# KiCad board STE25.kicad_pcb (continued)
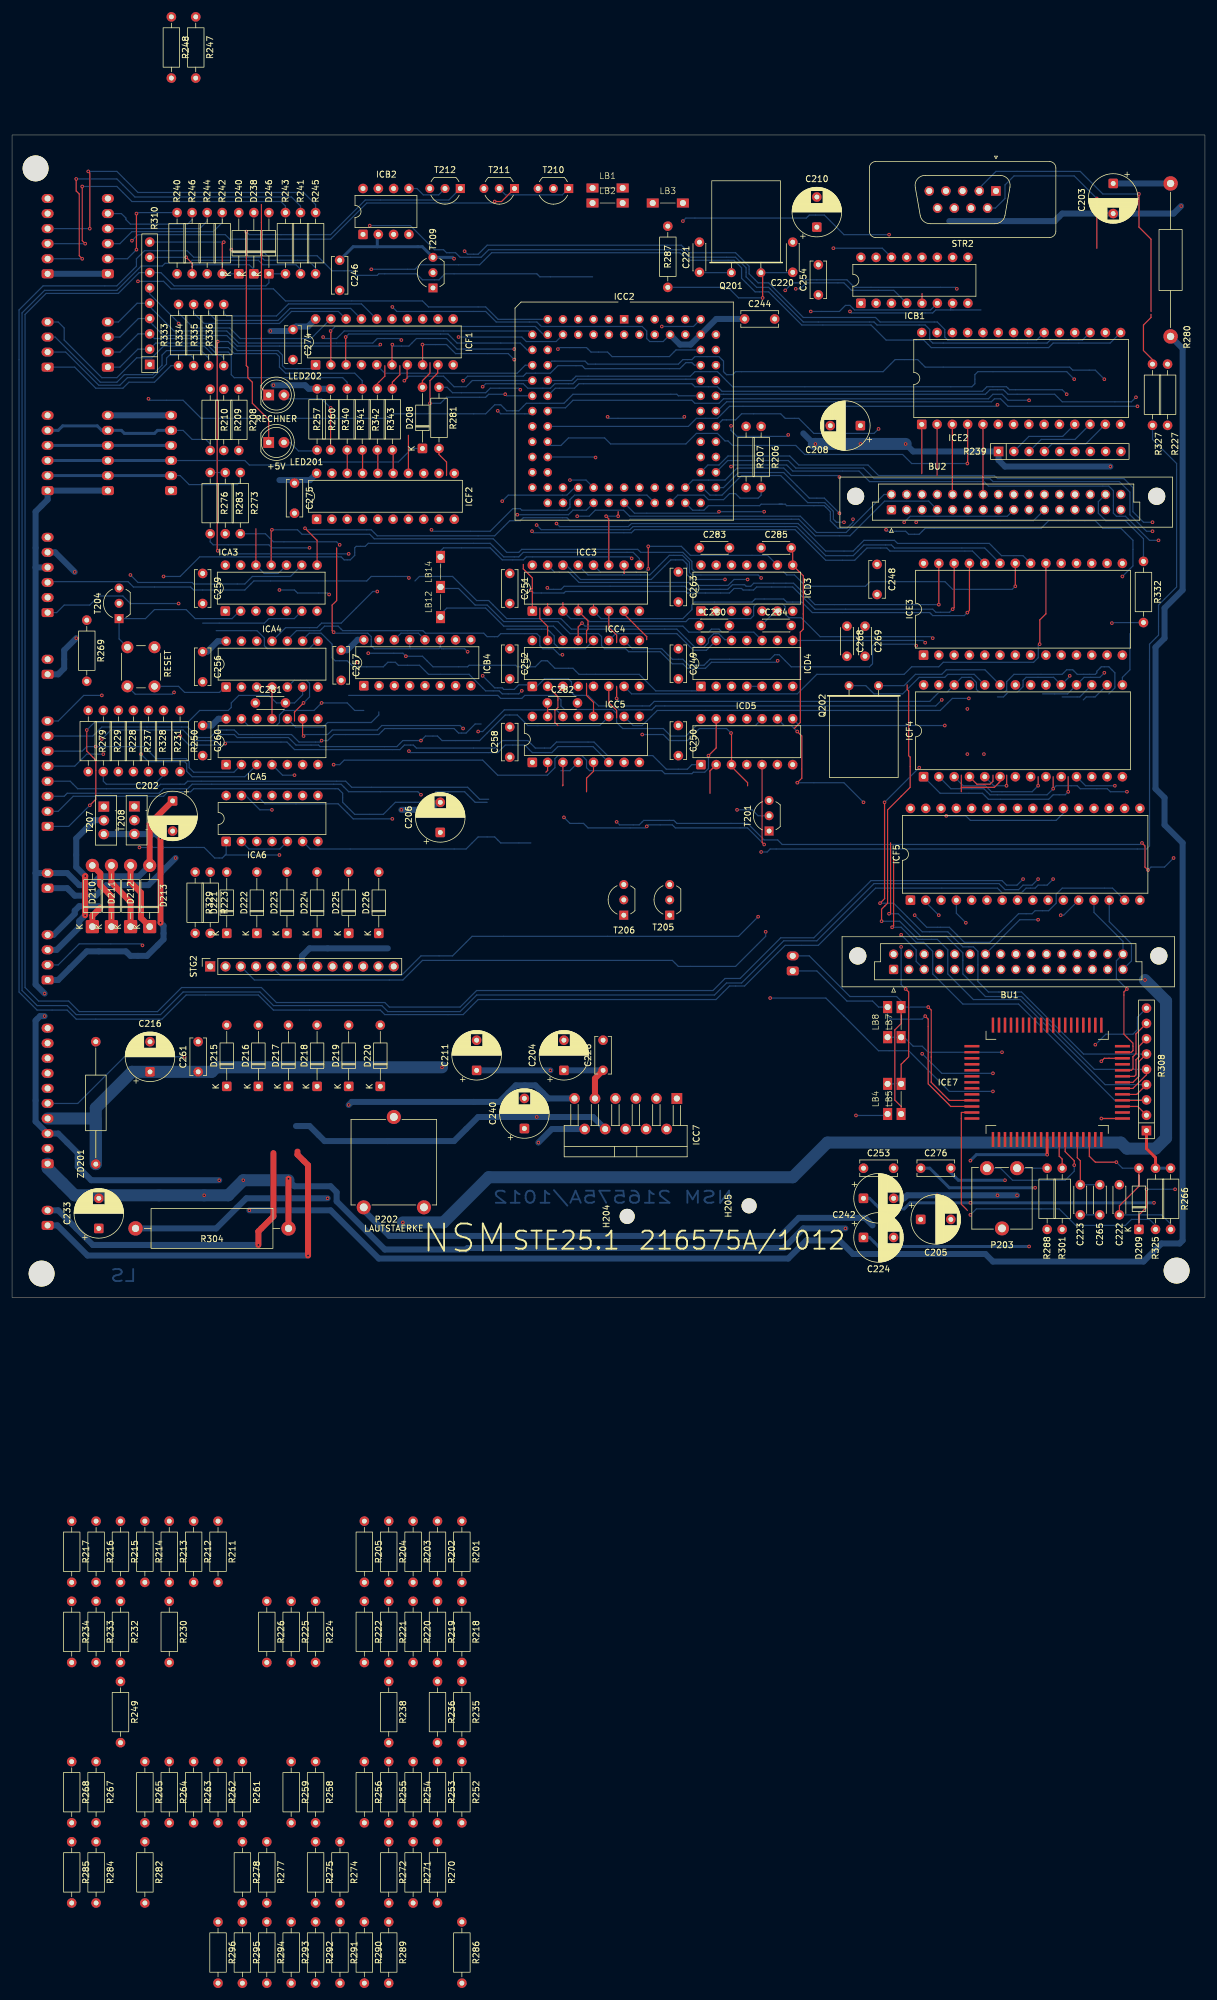
[diagram p0: board, top side]
## Library data of the parts
BU1 BU2 = -: Description: DIN41612 connector, double row (AB), 02x16, script generated (kicad-library-utils/schlib/autogen/connector/); ki_fp_filters: DIN41612*2x*
C202-C206 C208 C210 C211 C216 C224 C233 C240 C242 = -: Description: Polarized capacitor; ki_fp_filters: CP_*
C220-C223 C228 C244 C246 C248-C254 C256-C261 C263 C265 C268 C269 C274-C276 C280-C285 = -: Description: Unpolarized capacitor; ki_fp_filters: C_*
D208 = -: Datasheet: www.st.com/resource/en/datasheet/bat48.pdf; Description: 40V 0.35A Small Signal Schottky Diode, DO-35; KiLib_Generator: diode/THT; ki_fp_filters: D*DO?35*
D209 D215-D226 = -: Datasheet: www.st.com/resource/en/datasheet/bat48.pdf; Description: 40V 0.35A Small Signal Schottky Diode, DO-35; ki_fp_filters: D*DO?35*
D210-D213 = -: Datasheet: http://www.vishay.com/docs/88503/1n4001.pdf; Description: 50V 1A General Purpose Rectifier Diode, DO-41; Sim.Device: D; Sim.Pins: 1=K 2=A; ki_fp_filters: D*DO?41*
D238 D240 D246 = -: Datasheet: https://assets.nexperia.com/documents/data-sheet/BAT85.pdf; Description: 30V 0.2A Schottky barrier single diode, DO-35; ki_fp_filters: D*DO?35*
H201-H205 = -: Description: Mounting Hole without connection; ki_fp_filters: MountingHole*
ICA3 ICA6 = -: Datasheet: http://www.ti.com/lit/gpn/sn74LS32; Description: Quad 2-input OR; ki_fp_filters: DIP?14*
ICA4 = -: Datasheet: http://www.ti.com/lit/gpn/sn74LS08; Description: Quad And2; ki_fp_filters: DIP*W7.62mm*
ICA5 = -: Datasheet: http://www.ti.com/lit/gpn/sn74hc00; Description: quad 2-input NAND gate; ki_fp_filters: DIP*W7.62mm* SO14*
ICB1 = -: Datasheet: https://assets.nexperia.com/documents/data-sheet/74HC_HCT123.pdf; Description: Dual retriggerable monostable multivibrator; ki_fp_filters: DIP?16*
ICB2 = -: Datasheet: http://www.ti.com.cn/cn/lit/ds/symlink/tl7705a.pdf; Description: Supply-Voltage Supervisors, 4.55V, PDIP-8/SOIC-8; ki_fp_filters: SOIC*3.9x4.9mm*P1.27mm* DIP*W7.62mm*
ICB4 = -: Datasheet: http://www.ti.com/lit/gpn/sn74LS368; Description: Hex Bus Driver inverter, 3-state outputs; ki_fp_filters: DIP?16*
ICC3 = -: Datasheet: http://www.ti.com/lit/ds/symlink/cd74hc238.pdf; Description: 3-to-8 line decoder/multiplexer inverting, DIP-16/SOIC-16/SSOP-16; ki_fp_filters: DIP*W7.62mm* SOIC*3.9x9.9mm*P1.27mm* SSOP*5.3x6.2mm*P0.65mm*
ICC4 = -: Datasheet: http://www.ti.com/lit/gpn/sn74LS138; Description: Decoder 3 to 8 active low outputs; ki_fp_filters: DIP?16*
ICC5 = -: Datasheet: http://www.intersil.com/content/dam/intersil/documents/cd40/cd4050bms.pdf; Description: Hex Buffer; ki_fp_filters: DIP?16*
ICC7 = -: Datasheet: http://www.st.com/resource/en/datasheet/cd00000124.pdf; Description: 20W Bridge/Stereo Amplifier for Car Radio, TO-220-11; ki_fp_filters: TO?220*StaggerOdd*
ICD3 ICD5 = -: Datasheet: https://assets.nexperia.com/documents/data-sheet/74HC_HCT04.pdf; Description: Hex Inverter; ki_fp_filters: DIP*W7.62mm* SSOP?14* TSSOP?14*
ICD4 = -: Datasheet: http://www.ti.com/lit/gpn/sn74LS21; Description: Dual 4-input AND; ki_fp_filters: DIP?14*
ICE2 = -: Datasheet: https://www.issi.com/WW/pdf/62-65C256AL.pdf; Description: 32Kx8 bit Low Power CMOS Static RAM, 25/45ns; ki_fp_filters: SOP*8.4*18.16*P1.27*
ICE3 = -: Datasheet: http://ww1.microchip.com/downloads/en/DeviceDoc/doc0015.pdf; Description: OTP EPROM 512 KiBit; ki_fp_filters: DIP*W15.24mm*
ICF1 = -: Datasheet: http://www.ti.com/lit/gpn/sn74HCT574; Description: 8-bit Register, 3-state outputs; ki_fp_filters: DIP?20*
ICF2 = -: Datasheet: http://www.ti.com/lit/gpn/sn74HC245; Description: Octal BUS Transceivers, 3-State outputs; ki_fp_filters: DIP?20*
ICF5 = -: Datasheet: http://ww1.microchip.com/downloads/en/devicedoc/doc0189.pdf; Description: OTP EPROM 4 MiBit (512 Ki x 8); ki_fp_filters: DIP*W15.24mm* PLCC*
LB1-LB3 LB5 LB8 LB14 = -: Description: Jumper, 2-pole, open; ki_fp_filters: Jumper* TestPoint*2Pads* TestPoint*Bridge*
LB4 LB7 LB12 = -: Description: Jumper, 2-pole, closed/bridged; ki_fp_filters: Jumper* TestPoint*2Pads* TestPoint*Bridge*
LED201 LED202 = -: Description: Light emitting diode; Sim.Pins: 1=K 2=A; ki_fp_filters: LED* LED_SMD:* LED_THT:*
P202 P203 = -: Description: Potentiometer; Sim.Device: R; Sim.Type: POT; Sim.Pins: 1=r0 2=wiper 3=r1; ki_fp_filters: Potentiometer*
Q201 Q202 = -: Description: Two pin crystal; ki_fp_filters: Crystal*
R201-R238 R240-R250 R252-R296 R301 R304 R325 R327-R329 R332-R336 R340-R343 = -: Description: Resistor; ki_fp_filters: R_*
R239 R308 R310 = -: Datasheet: http://www.vishay.com/docs/31509/csc.pdf; Description: 8 resistor network, star topology, bussed resistors, small symbol; ki_fp_filters: R?Array?SIP*
STA2 = -: Description: Generic connector, single row, 01x10, script generated (kicad-library-utils/schlib/autogen/connector/); ki_fp_filters: Connector*:*_1x??_*
STB2 = -: Description: Generic connector, single row, 01x08, script generated (kicad-library-utils/schlib/autogen/connector/); ki_fp_filters: Connector*:*_1x??_*
STC2 STD2 STE2 STM2 STT2 STU2 = -: Description: Generic connector, single row, 01x06, script generated (kicad-library-utils/schlib/autogen/connector/); ki_fp_filters: Connector*:*_1x??_*
STG2 = -: Description: Generic connector, double row, 02x13, counter clockwise pin numbering scheme (similar to DIP package numbering), script generated (kicad-library-utils/schlib/autogen/connector/); ki_fp_filters: Connector*:*_2x??_*
STH2 STK2 STL2 STS2 = -: Description: Generic connector, single row, 01x02, script generated (kicad-library-utils/schlib/autogen/connector/); ki_fp_filters: Connector*:*_1x??_*
STP2 STV2 STW2 = -: Description: Generic connector, single row, 01x04, script generated (kicad-library-utils/schlib/autogen/connector/); ki_fp_filters: Connector*:*_1x??_*
STR2 = -: Description: 9-pin D-SUB connector, socket (female); ki_fp_filters: DSUB*Socket*
SW201 = -: Description: Push button switch, generic, two pins
T201 T204-T206 T210-T212 = -: Datasheet: https://www.onsemi.com/pub/Collateral/BC550-D.pdf; Description: 0.1A Ic, 45V Vce, Small Signal NPN Transistor, TO-92; ki_fp_filters: TO?92*
T207 T208 = -: Description: NPN Darlington transistor, base/collector/emitter
T209 = -: Datasheet: https://www.onsemi.com/pub/Collateral/BC556BTA-D.pdf; Description: 0.1A Ic, 65V Vce, PNP Small Signal Transistor, TO-92; ki_fp_filters: TO?92*
ZD201 = -: Description: Zener diode; ki_fp_filters: TO-???* *_Diode_* *SingleDiode* D_*

## Footprints (pads in the part's own frame, mm; a bottom-side part is the same pattern mirrored in y, then rotated)
C_Disc_D4.3mm_W1.9mm_P5.00mm
  round 1.6 hole 0.8: 1(0,0) 2(5,0)
C_Disc_D6.0mm_W2.5mm_P5.00mm
  round 1.6 hole 0.8: 1(0,0) 2(5,0)
CP_Radial_D8.0mm_P5.00mm
  rrect 1.6x1.6 hole 0.8: 1(0,0)
  round 1.6 hole 0.8: 2(5,0)
Crystal_HC49-U_Horizontal
  round 1.5 hole 0.8: 1(0,0) 2(4.9,0)
D_DO-35_SOD27_P10.16mm_Horizontal
  rrect 1.6x1.6 hole 0.8: 1(0,0)
  round 1.6 hole 0.8: 2(10.16,0)
D_DO-41_SOD81_P10.16mm_Horizontal
  rrect 2.2x2.2 hole 1.1: 1(0,0)
  round 2.2 hole 1.1: 2(10.16,0)
DIN41612_B2_2x16_Female_Vertical_THT
  round 2.85 hole 2.85 unplated: (2.24,5.95) (2.24,-44.05)
  rrect 1.55x1.55 hole 1: a1(0,0)
  round 1.55 hole 1: a2(0,-2.54) a3(0,-5.08) a4(0,-7.62) a5(0,-10.16) a6(0,-12.7) a7(0,-15.24) a8(0,-17.78) a9(0,-20.32) a10(0,-22.86) a11(0,-25.4) a12(0,-27.94) a13(0,-30.48) a14(0,-33.02) a15(0,-35.56) a16(0,-38.1) b1(2.54,0) b2(2.54,-2.54) b3(2.54,-5.08) b4(2.54,-7.62) b5(2.54,-10.16) b6(2.54,-12.7) b7(2.54,-15.24) b8(2.54,-17.78) b9(2.54,-20.32) b10(2.54,-22.86) b11(2.54,-25.4) b12(2.54,-27.94) b13(2.54,-30.48) b14(2.54,-33.02) b15(2.54,-35.56) b16(2.54,-38.1)
DIP-8_W7.62mm
  rrect 1.6x1.6 hole 0.8: 1(0,0)
  round 1.6 hole 0.8: 2(0,-2.54) 3(0,-5.08) 4(0,-7.62) 5(7.62,-7.62) 6(7.62,-5.08) 7(7.62,-2.54) 8(7.62,0)
DIP-14_W7.62mm
  rrect 1.6x1.6 hole 0.8: 1(0,0)
  round 1.6 hole 0.8: 2(0,-2.54) 3(0,-5.08) 4(0,-7.62) 5(0,-10.16) 6(0,-12.7) 7(0,-15.24) 8(7.62,-15.24) 9(7.62,-12.7) 10(7.62,-10.16) 11(7.62,-7.62) 12(7.62,-5.08) 13(7.62,-2.54) 14(7.62,0)
DIP-16_W7.62mm
  rrect 1.6x1.6 hole 0.8: 1(0,0)
  round 1.6 hole 0.8: 2(0,-2.54) 3(0,-5.08) 4(0,-7.62) 5(0,-10.16) 6(0,-12.7) 7(0,-15.24) 8(0,-17.78) 9(7.62,-17.78) 10(7.62,-15.24) 11(7.62,-12.7) 12(7.62,-10.16) 13(7.62,-7.62) 14(7.62,-5.08) 15(7.62,-2.54) 16(7.62,0)
DIP-20_W7.62mm
  rrect 1.6x1.6 hole 0.8: 1(0,0)
  round 1.6 hole 0.8: 2(0,-2.54) 3(0,-5.08) 4(0,-7.62) 5(0,-10.16) 6(0,-12.7) 7(0,-15.24) 8(0,-17.78) 9(0,-20.32) 10(0,-22.86) 11(7.62,-22.86) 12(7.62,-20.32) 13(7.62,-17.78) 14(7.62,-15.24) 15(7.62,-12.7) 16(7.62,-10.16) 17(7.62,-7.62) 18(7.62,-5.08) 19(7.62,-2.54) 20(7.62,0)
DIP-28_W15.24mm
  rrect 1.6x1.6 hole 0.8: 1(0,0)
  round 1.6 hole 0.8: 2(0,-2.54) 3(0,-5.08) 4(0,-7.62) 5(0,-10.16) 6(0,-12.7) 7(0,-15.24) 8(0,-17.78) 9(0,-20.32) 10(0,-22.86) 11(0,-25.4) 12(0,-27.94) 13(0,-30.48) 14(0,-33.02) 15(15.24,-33.02) 16(15.24,-30.48) 17(15.24,-27.94) 18(15.24,-25.4) 19(15.24,-22.86) 20(15.24,-20.32) 21(15.24,-17.78) 22(15.24,-15.24) 23(15.24,-12.7) 24(15.24,-10.16) 25(15.24,-7.62) 26(15.24,-5.08) 27(15.24,-2.54) 28(15.24,0)
DIP-32_W15.24mm
  rrect 1.6x1.6 hole 0.8: 1(0,0)
  round 1.6 hole 0.8: 2(0,-2.54) 3(0,-5.08) 4(0,-7.62) 5(0,-10.16) 6(0,-12.7) 7(0,-15.24) 8(0,-17.78) 9(0,-20.32) 10(0,-22.86) 11(0,-25.4) 12(0,-27.94) 13(0,-30.48) 14(0,-33.02) 15(0,-35.56) 16(0,-38.1) 17(15.24,-38.1) 18(15.24,-35.56) 19(15.24,-33.02) 20(15.24,-30.48) 21(15.24,-27.94) 22(15.24,-25.4) 23(15.24,-22.86) 24(15.24,-20.32) 25(15.24,-17.78) 26(15.24,-15.24) 27(15.24,-12.7) 28(15.24,-10.16) 29(15.24,-7.62) 30(15.24,-5.08) 31(15.24,-2.54) 32(15.24,0)
DSUB-9_Socket_Vertical_P2.77x2.84mm
  rect 1.6x1.6 hole 1: 1(0,0)
  round 1.6 hole 1: 2(-2.77,0) 3(-5.54,0) 4(-8.31,0) 5(-11.08,0) 6(-1.385,-2.84) 7(-4.155,-2.84) 8(-6.925,-2.84) 9(-9.695,-2.84)
LED_D5.0mm
  rect 1.8x1.8 hole 0.9: 1(0,0)
  round 1.8 hole 0.9: 2(2.54,0)
MountingHole_2.5mm
  round 2.5 hole 2.5 unplated: (0,0)
MountingHole_4.3mm_M4
  round 4.3 hole 4.3 unplated: (0,0)
NSM_Jumper
  rect 2x1.5 hole 1: 1(-2.5,0) 2(2.5,0)
PinSocket_1x13_P2.54mm_Vertical
  rect 1.7x1.7 hole 1: 1(0,0)
  round 1.7 hole 1: 2(0,-2.54) 3(0,-5.08) 4(0,-7.62) 5(0,-10.16) 6(0,-12.7) 7(0,-15.24) 8(0,-17.78) 9(0,-20.32) 10(0,-22.86) 11(0,-25.4) 12(0,-27.94) 13(0,-30.48)
PLCC-84_THT-Socket
  rect 1.422x1.422 hole 0.8: 1(0,0)
  round 1.422 hole 0.8: 2(0,-2.54) 3(-2.54,0) 4(-2.54,-2.54) 5(-5.08,0) 6(-5.08,-2.54) 7(-7.62,0) 8(-7.62,-2.54) 9(-10.16,0) 10(-10.16,-2.54) 11(-12.7,0) 12(-15.24,-2.54) 13(-12.7,-2.54) 14(-15.24,-5.08) 15(-12.7,-5.08) 16(-15.24,-7.62) 17(-12.7,-7.62) 18(-15.24,-10.16) 19(-12.7,-10.16) 20(-15.24,-12.7) 21(-12.7,-12.7) 22(-15.24,-15.24) 23(-12.7,-15.24) 24(-15.24,-17.78) 25(-12.7,-17.78) 26(-15.24,-20.32) 27(-12.7,-20.32) 28(-15.24,-22.86) 29(-12.7,-22.86) 30(-15.24,-25.4) 31(-12.7,-25.4) 32(-15.24,-27.94) 33(-12.7,-30.48) 34(-12.7,-27.94) 35(-10.16,-30.48) 36(-10.16,-27.94) 37(-7.62,-30.48) 38(-7.62,-27.94) 39(-5.08,-30.48) 40(-5.08,-27.94) 41(-2.54,-30.48) 42(-2.54,-27.94) 43(0,-30.48) 44(0,-27.94) 45(2.54,-30.48) 46(2.54,-27.94) 47(5.08,-30.48) 48(5.08,-27.94) 49(7.62,-30.48) 50(7.62,-27.94) 51(10.16,-30.48) 52(10.16,-27.94) 53(12.7,-30.48) 54(15.24,-27.94) 55(12.7,-27.94) 56(15.24,-25.4) 57(12.7,-25.4) 58(15.24,-22.86) 59(12.7,-22.86) 60(15.24,-20.32) 61(12.7,-20.32) 62(15.24,-17.78) 63(12.7,-17.78) 64(15.24,-15.24) 65(12.7,-15.24) 66(15.24,-12.7) 67(12.7,-12.7) 68(15.24,-10.16) 69(12.7,-10.16) 70(15.24,-7.62) 71(12.7,-7.62) 72(15.24,-5.08) 73(12.7,-5.08) 74(15.24,-2.54) 75(12.7,0) 76(12.7,-2.54) 77(10.16,0) 78(10.16,-2.54) 79(7.62,0) 80(7.62,-2.54) 81(5.08,0) 82(5.08,-2.54) 83(2.54,0) 84(2.54,-2.54)
Potentiometer_ACP_CA9-V10_Vertical
  round 2.34 hole 1.3: 1(0,0) 2(10,2.5) 3(0,5)
Potentiometer_ACP_CA14V-15_Vertical
  round 2.34 hole 1.3: 1(0,0) 2(15,5) 3(0,10)
QFP-64_14x20_Pitch1mm
  rect 2.5x0.42 smd: 1(-9.5,9) 2(-9.5,8) 3(-9.5,7) 4(-9.5,6) 5(-9.5,5) 6(-9.5,4) 7(-9.5,3) 8(-9.5,2) 9(-9.5,1) 10(-9.5,0) 11(-9.5,-1) 12(-9.5,-2) 13(-9.5,-3) 14(-9.5,-4) 15(-9.5,-5) 16(-9.5,-6) 17(-9.5,-7) 18(-9.5,-8) 19(-9.5,-9) 33(9.5,-9) 34(9.5,-8) 35(9.5,-7) 36(9.5,-6) 37(9.5,-5) 38(9.5,-4) 39(9.5,-3) 40(9.5,-2) 41(9.5,-1) 42(9.5,0) 43(9.5,1) 44(9.5,2) 45(9.5,3) 46(9.5,4) 47(9.5,5) 48(9.5,6) 49(9.5,7) 50(9.5,8) 51(9.5,9)
  rect 0.42x2.5 smd: 20(-6,-12.5) 21(-5,-12.5) 22(-4,-12.5) 23(-3,-12.5) 24(-2,-12.5) 25(-1,-12.5) 26(0,-12.5) 27(1,-12.5) 28(2,-12.5) 29(3,-12.5) 30(4,-12.5) 31(5,-12.5) 32(6,-12.5) 52(6,12.5) 53(5,12.5) 54(4,12.5) 55(3,12.5) 56(2,12.5) 57(1,12.5) 58(0,12.5) 59(-1,12.5) 60(-2,12.5) 61(-3,12.5) 62(-4,12.5) 63(-5,12.5) 64(-6,12.5)
R_Array_SIP9
  rect 1.6x1.6 hole 0.8: 1(0,0)
  round 1.6 hole 0.8: 2(2.54,0) 3(5.08,0) 4(7.62,0) 5(10.16,0) 6(12.7,0) 7(15.24,0) 8(17.78,0) 9(20.32,0)
R_Axial_DIN0207_L6.3mm_D2.5mm_P10.16mm_Horizontal
  round 1.6 hole 0.8: 1(0,0) 2(10.16,0)
R_Axial_DIN0309_L9.0mm_D3.2mm_P20.32mm_Horizontal
  round 1.6 hole 0.8: 1(0,0) 2(20.32,0)
R_Axial_DIN0411_L9.9mm_D3.6mm_P25.40mm_Horizontal
  round 2.4 hole 1.2: 1(0,0) 2(25.4,0)
R_Axial_Power_L20.0mm_W6.4mm_P25.40mm
  round 2.4 hole 1.2: 1(0,0) 2(25.4,0)
Stocko_MKS_1651-6-0-202_1x2_P2.50mm_Vertical
  rrect 1.5x2 hole 1: 1(0,0)
  oval 1.5x2 hole 1: 2(2.5,0)
Stocko_MKS_1654-6-0-404_1x4_P2.50mm_Vertical
  rrect 1.5x2 hole 1: 1(0,0)
  oval 1.5x2 hole 1: 2(2.5,0) 3(5,0) 4(7.5,0)
Stocko_MKS_1656-6-0-606_1x6_P2.50mm_Vertical
  rrect 1.5x2 hole 1: 1(0,0)
  oval 1.5x2 hole 1: 2(2.5,0) 3(5,0) 4(7.5,0) 5(10,0) 6(12.5,0)
Stocko_MKS_1658-6-0-808_1x8_P2.50mm_Vertical
  rrect 1.5x2 hole 1: 1(0,0)
  oval 1.5x2 hole 1: 2(2.5,0) 3(5,0) 4(7.5,0) 5(10,0) 6(12.5,0) 7(15,0) 8(17.5,0)
Stocko_MKS_1660-6-0-1010_1x10_P2.50mm_Vertical
  rrect 1.5x2 hole 1: 1(0,0)
  oval 1.5x2 hole 1: 2(2.5,0) 3(5,0) 4(7.5,0) 5(10,0) 6(12.5,0) 7(15,0) 8(17.5,0) 9(20,0) 10(22.5,0)
SW_PUSH_6mm
  round 2 hole 1.1: 1(0,0) 1(6.5,0) 2(0,-4.5) 2(6.5,-4.5)
TO-92_Inline_Wide
  rect 1.5x1.5 hole 0.8: 1(0,0)
  round 1.5 hole 0.8: 2(2.54,0) 3(5.08,0)
TO-126-3_Vertical
  rect 1.71x1.8 hole 1: 1(0,0)
  oval 1.71x1.8 hole 1: 2(2.28,0) 3(4.56,0)
TO-220-11_P3.4x5.08mm_StaggerOdd_Lead4.58mm_Vertical
  rect 1.8x1.8 hole 1: 1(0,0)
  round 1.8 hole 1: 2(1.7,5.08) 3(3.4,0) 4(5.1,5.08) 5(6.8,0) 6(8.5,5.08) 7(10.2,0) 8(11.9,5.08) 9(13.6,0) 10(15.3,5.08) 11(17,0)

## Nets
+5V: C216.1 C261.1 STA2.4 ZD201.1
+12V: D210.1 STP2.4
+15V: C202.1 D213.2 STA2.2 STA2.3 STC2.1 STD2.1 STE2.1 STL2.2 STM2.4 STT2.1 STU2.1
GND: BU2.a1 C203.2 C204.2 C220.2 C221.2 C222.2 C228.2 C233.2 C244.2 C246.2 C248.2 C249.2 C250.2 C251.2 C252.2 C254.2 C256.2 C257.2 C258.2 C259.2 C260.2 C263.2 C268.1 C269.1 C274.2 C275.2 C280.1 C283.1 C284.2 C285.1 ICA3.7 ICA4.7 ICA5.7 ICA6.7 ICC2.42 ICC2.46 ICC2.77 ICC3.8 ICC4.8 ICD3.7 ICD4.7 ICD5.7 ICE2.14 ICF1.10 ICF2.1 ICF2.10 ICF5.16 R304.2 STA2.1 STC2.6 STD2.6 STE2.6 STG2.1 STG2.13 STM2.2 STP2.1 STR2.5 STT2.6 T201.3 T204.3 T207.3 T208.3 T211.3 T212.3
GND2: C216.2 STA2.10 STU2.6 ZD201.2
VCC: C244.1 C249.1 C250.1 C251.1 C252.1 C254.1 C256.1 C257.1 C258.1 C259.1 C260.1 C263.1 C274.1 C275.1 ICA3.14 ICA4.14 ICA5.14 ICA6.14 ICB1.16 ICB2.8 ICB4.16 ICC2.50 ICC2.76 ICC2.80 ICC3.16 ICC4.16 ICC5.1 ICD3.14 ICD4.14 ICD5.14 ICE2.28 ICF1.20 ICF2.20 ICF5.32 LB4.1 R206.1 R207.1 R239.1 R257.1 R260.1 R266.1 R308.1 R325.2 STG2.7
/C_DB_RTS2: R245.1 STU2.4
/C_DB_RXD2: R243.1 STU2.3
/C_DB_TXD2: R241.1 STU2.2
/C_KL_RX: R242.1 STT2.3
/C_KL_TX: R240.1 STT2.2
A0: BU2.b12 ICC2.21 ICE2.10 ICE3.10 ICF4.1
A1: BU2.b11 ICC2.22 ICE2.9 ICE3.9 ICF4.2
A2: BU2.b10 ICC2.23 ICE2.8 ICE3.8 ICF4.3
A3: BU2.b9 ICC2.24 ICE2.7 ICE3.7 ICF4.4
A4: BU2.b8 ICC2.25 ICE2.6 ICE3.6
A5: BU2.b7 ICC2.26 ICE2.5 ICE3.5
A6: BU2.b6 ICC2.27 ICE2.4 ICE3.4
A7: BU2.b5 ICC2.28 ICE2.3 ICE3.3
A8: BU2.a6 ICC2.29 ICC3.5 ICE3.25
A9: BU2.a7 ICC2.30 ICE3.24
A10: BU2.a10 ICC2.31 ICE3.21
A11: BU2.a8 ICC2.32 ICE3.23
A12: BU2.b4 ICC2.33 ICE3.2
A13: BU2.a5 ICC2.34 ICC3.1 ICE3.26
A14: BU2.b3 ICC2.35 ICC3.2
A15: BU2.a3 ICC2.36 ICC3.3
A16: BU2.b1 ICC2.37
A17: BU2.a2 ICC2.38 ICC4.1
A18: BU1.b1 ICC2.39 ICC4.2
A19: ICC2.40 ICC4.3
ALARM: STK2.1
D0: BU2.b13 ICC2.13 ICE2.11 ICE3.11 ICF1.2 ICF2.2 ICF4.19 R239.2
D1: BU2.b14 ICC2.14 ICE2.12 ICE3.12 ICF1.3 ICF2.3 ICF4.10 R239.3
D2: BU2.b16 ICC2.15 ICE2.13 ICE3.13 ICF1.4 ICF2.4 ICF4.18 R239.4
D3: BU2.a16 ICC2.16 ICE2.15 ICE3.15 ICF1.5 ICF2.5 ICF4.11
D4: BU2.a15 ICC2.17 ICE2.16 ICE3.16 ICF1.6 ICF2.6 ICF4.17
D5: BU2.a14 ICC2.18 ICE2.17 ICE3.17 ICF1.7 ICF2.7 ICF4.12
D6: BU2.a13 ICC2.19 ICE2.18 ICE3.18 ICF1.8 ICF2.8 ICF4.16
D7: BU2.a12 ICC2.20 ICE2.19 ICE3.19 ICF1.9 ICF2.9 ICF4.13
DB_RTS2: R245.2
DB_RXD2: R310.7
IO4: ICB1.9 ICC3.11
IO5: D209.1 ICC3.10
IO6: ICA6.2 ICA6.5 ICC3.9
IO7: ICC3.7
IOS_CLOCK_IN: STB2.3
IOS_CLOCK_OUT: STB2.7
IOS_DATA_IN: STB2.5
IOS_DATA_OUT: C281.2 ICA4.6 STB2.1
IOS_LOAD_IN: C285.2 ICD3.8 STB2.2
IOS_LOAD_MOT: C284.1 ICD3.6 STB2.4
IOS_LOAD_OUT: ICA5.2 ICD3.4 STB2.6
KB1: STG2.2
KB2: STG2.4
KB3: STG2.6
KB4: STG2.8
KB5: STG2.10
KB6: STG2.12
LSP1: STH2.1
LSP2: STH2.2
MONEY_RXD: D208.1 STC2.3 STD2.3 STE2.3
MONEY_TXD: R273.1 STC2.2 STD2.2 STE2.2
MONEY_TXD_L: ICB4.11 ICB4.13 R273.2
NVRAM_E1: BU2.a9 ICC4.10
NVRAM_W: BU2.a4 ICA3.8
OE_PERIPH: STB2.8
ONBOARD_ROM_CE: ICC4.7 ICE3.20
ONBOARD_ROM_OE: ICA3.11 ICE3.22
P0.4: STL2.1
PRG_CE: BU2.a11 ICD4.8
PRG_OE: BU1.a1
PRINTER_DSR: STR2.6
PRINTER_RX: R327.1 STR2.2
PRINTER_RX_L: ICD5.12 R327.2
RAM_CE: ICC4.15 ICE2.20
RAM_OE: ICE2.22
RAM_WE: ICE2.27
READY: R210.2 STC2.5 STD2.5 STE2.5
RESET: STC2.4 STD2.4 STE2.4 STM2.1
RESET_ASY: STU2.5
RW: ICA6.1 ICC2.83
RX1: ICC2.45
RXDA: D240.1 ICF4.22 R242.2 R310.9
RXDB: D246.1 ICF4.7 R243.2
SERVICE_CLK: C282.1 ICC5.15 STG2.9
SERVICE_DATA: ICD5.4 STG2.5
SERVICE_STROBE: ICD3.10 STG2.3
SND_A0: BU1.b12 ICE7.41 ICF5.12
SND_A1: BU1.a12 ICE7.42 ICF5.11
SND_A2: BU1.b11 ICE7.43 ICF5.10
SND_A3: BU1.a11 ICE7.44 ICF5.9
SND_A4: BU1.b10 ICE7.45 ICF5.8
SND_A5: BU1.a10 ICE7.46 ICF5.7
SND_A6: BU1.b9 ICE7.47 ICF5.6
SND_A7: BU1.a9 ICE7.48 ICF5.5
SND_A8: BU1.b8 ICE7.49 ICF5.27
SND_A9: BU1.a8 ICE7.50 ICF5.26
SND_A10: BU1.b7 ICE7.52 ICF5.23
SND_A11: BU1.a7 ICE7.53 ICF5.25
SND_A12: BU1.b6 ICE7.54 ICF5.4
SND_A13: BU1.a6 ICE7.55 ICF5.28
SND_A14: BU1.b5 ICE7.56 ICF5.29
SND_A15: BU1.a5 ICE7.57 ICF5.3
SND_A16: BU1.b4 ICE7.58 ICF5.2
SND_A17: BU1.a4 ICE7.59 ICF5.30
SND_A18: BU1.b3 ICE7.60 ICF5.31
SND_A19: ICE7.61 LB5.1 LB7.2 STS2.2
SND_A20: ICE7.62 LB8.2 STS2.1
SND_CE: BU1.b2 LB7.1 LB8.1 R308.9
SND_D0: BU1.b16 ICE7.31 ICF5.13
SND_D1: BU1.a16 ICE7.32 ICF5.14
SND_D2: BU1.a2 ICE7.35 ICF5.15
SND_D3: BU1.a15 ICE7.36 ICF5.17
SND_D4: BU1.b14 ICE7.37 ICF5.18
SND_D5: BU1.a14 ICE7.38 ICF5.19
SND_D6: BU1.b13 ICE7.39 ICF5.20
SND_D7: BU1.a13 ICE7.40 ICF5.21
SND_OE: BU1.a3 ICE7.29 ICF5.24
SND_ROM_CE: BU1.b15 ICF5.22
SOUND_I0: ICC2.48 ICE7.22 R308.2
SOUND_I1: ICC2.51 ICE7.23 R308.3
SOUND_I2: ICC2.52 ICE7.24 R308.4
SOUND_I3: ICC2.54 ICE7.25 R308.5
SOUND_I4: ICC2.55 ICE7.26 R308.6
SOUND_I5: ICC2.56 ICE7.27 R308.7
SOUND_I6: ICC2.57 ICE7.28 R308.8
TRESOR_DATA_IN: STP2.2
TRESOR_DATA_OUT: STP2.3 T207.2
TUER_MELDUNG: STM2.3
TUER_TASTE: STM2.5
TX1: ICB4.12 ICB4.14 ICC2.47
TXDA: ICF4.21 R240.2
TXDB: ICF4.8 R241.2
UART_INT: ICC2.61 ICF4.15
UART_RD: ICA6.6 ICF4.6
UART_WR: ICA6.3 ICF4.5
~{IOSTB}: ICC2.1 ICC3.4 ICF4.26
~{PRINTER_RX_L}: ICA5.8 ICD5.13
~{SERVICE_CLK}: ICC2.65 ICC5.14
~{SERVICE_DATA}: ICC2.44 ICD5.3
~{SOUND_BUSY}: ICC2.62 ICE7.1
Net-(BU2-Pin_b15): BU2.b15 R332.1
Net-(C203-Pad1): C203.1 R280.1
Net-(C223-Pad1): C223.1 C265.1
Net-(D209-A): C222.1 D209.2 ICE7.17 R266.2
Net-(D210-A): D210.2 D211.1
Net-(D211-A): D211.2 D212.1
Net-(D212-A): D212.2 D213.1
Net-(D221-K): D221.1 R223.2
Net-(D238-K): D238.1 R246.2 R310.8
Net-(ICA3-Pad10): ICA3.10 ICA3.12
Net-(ICA4-Pad1): ICA4.1 SW201.2
Net-(ICA4-Pad4): ICA4.4 ICA5.11
Net-(ICA5-Pad1): ICA5.1 ICD5.1
Net-(ICB1B-Q): ICB1.5 LED202.1
Net-(ICB2-~{RESET}): ICB2.5 T212.2
Net-(ICB2-~{RESIN}): C246.1 ICB2.2 T209.3
Net-(ICC2-IC-Pad49): ICC2.49 R206.2
Net-(ICC2-P06): ICC2.11 R231.1
Net-(ICC2-X1): C220.1 ICC2.78 Q201.1 R287.2
Net-(ICC2-X2): C221.1 ICC2.79 Q201.2
Net-(ICC3-~{Y0}): ICC3.15 ICD3.11
Net-(ICC3-~{Y1}): ICC3.14 ICD3.3
Net-(ICC3-~{Y2}): ICC3.13 ICD3.5
Net-(ICC3-~{Y3}): ICC3.12 ICD3.9
Net-(ICC4-O1): ICC4.14 ICD4.9 LB12.1
Net-(ICC4-O2): ICC4.13 ICD4.10
Net-(ICC4-O3): ICC4.12 ICD4.12
Net-(ICC4-O4): ICC4.11 ICD4.13
Net-(ICC5-Pad2): ICC5.2 ICC5.7 ICD5.5
Net-(ICC7C-V+): C204.1 C228.1 ICC7.9
Net-(ICD4-Pad4): ICD4.4 ICD4.5
Net-(ICE7-OSC1): ICE7.12 R301.2
Net-(ICE7-OSC2): ICE7.13 P203.1
Net-(ICE7-OSC3): C223.2 C265.2 ICE7.15
Net-(ICF1-OE): ICD5.6 ICF1.1
Net-(ICF1-Q0): ICF1.19 R333.2
Net-(ICF1-Q1): ICF1.18 R334.2
Net-(ICF1-Q2): ICF1.17 R335.2
Net-(ICF1-Q3): ICF1.16 R336.2
Net-(ICF2-B0): ICF2.18 R340.1
Net-(ICF2-B1): ICF2.17 R341.1
Net-(ICF2-B2): ICF2.16 R342.1
Net-(ICF2-B3): ICF2.15 R343.1
Net-(ICF4-X1/CLK): C269.2 ICF4.23 Q202.2
Net-(ICF4-X2): C268.2 ICF4.24 Q202.1
Net-(ICF5-VPP): ICF5.1 LB4.2 LB5.2
Net-(LB12-B): LB12.2 LB14.1
Net-(LED201-A): LED201.2 R257.2
Net-(LED201-K): LED201.1 T212.1
Net-(LED202-A): LED202.2 R260.2
Net-(P203-Pad3): P203.3 R288.1
Net-(R229-Pad2): R229.2 R231.2
Net-(R276-Pad1): R276.1 R283.1
Net-(R310-R1): R310.2 R340.2 STW2.1
Net-(R310-R2): R310.3 R341.2 STW2.2
Net-(R310-R3): R310.4 R342.2 STW2.3
Net-(R310-R4): R310.5 R343.2 STW2.4
Net-(STT2-Pin_4): R244.1 STT2.4
Net-(STT2-Pin_5): R246.1 STT2.5
Net-(STV2-Pin_1): R333.1 STV2.1
Net-(STV2-Pin_2): R334.1 STV2.2
Net-(STV2-Pin_3): R335.1 STV2.3
Net-(STV2-Pin_4): R336.1 STV2.4
Net-(T204-C): ICA3.2 SW201.1 T204.1
Net-(T210-C): T210.1 T211.2

Pads without a net: BU2 b2; C202 2; C205 1 2; C206 1 2; C208 1 2; C210 1 2; C211 1 2; C224 1 2; C233 1; C240 1 2; C242 1 2; C248 1; C253 1 2; C261 2; C276 1 2; C280 2; C281 1; C282 2; C283 2; D208 2; D215 1 2; D216 1 2; D217 1 2; D218 1 2; D219 1 2; D220 1 2; D221 2; D222 1 2; D223 1 2; D224 1 2; D225 1 2; D226 1 2; D238 2; D240 2; D246 2; ICA3 1 3 4 5 6 9 13; ICA4 2 3 5 8 9 10 11 12 13; ICA5 3 4 5 6 9 10 12 13; ICA6 4 8 9 10 11 12 13; ICB1 1 2 3 4 6 7 8 10 11 12 13 14 15; ICB2 1 3 4 6 7; ICB4 1 2 3 4 5 6 7 8 9 10 15; ICC2 2 3 4 5 6 7 8 9 10 12 41 43 53 58 59 60 63 64 66 67 68 69 70 71 72 73 74 75 81 82 84; ICC3 6; ICC4 4 5 6 9; ICC5 3 4 5 6 8 9 10 11 12 13 16; ICC7 1 2 3 4 5 6 7 8 10 11; ICD3 1 2 12 13; ICD4 1 2 3 6 11; ICD5 2 8 9 10 11; ICE2 1 2 21 23 24 25 26; ICE3 1 14 27 28; ICE7 2 3 4 5 6 7 8 9 10 11 14 16 18 19 20 21 30 33 34 51 63 64; ICF1 11 12 13 14 15; ICF2 11 12 13 14 19; ICF4 9 14 20 25 27 28; LB1 1 2; LB2 1 2; LB3 1 2; LB14 2; P202 1 2 3; P203 2; R201 1 2; R202 1 2; R203 1 2; R204 1 2; R205 1 2; R207 2; R208 1 2; R209 1 2; R210 1; R211 1 2; R212 1 2; R213 1 2; R214 1 2; R215 1 2; R216 1 2; R217 1 2; R218 1 2; R219 1 2; R220 1 2; R221 1 2; R222 1 2; R223 1; R224 1 2; R225 1 2; R226 1 2; R227 1 2; R228 1 2; R229 1; R230 1 2; R232 1 2; R233 1 2; R234 1 2; R235 1 2; R236 1 2; R237 1 2; R238 1 2; R239 5 6 7 8 9; R244 2; R247 1 2; R248 1 2; R249 1 2; R250 1 2; R252 1 2; R253 1 2; R254 1 2; R255 1 2; R256 1 2; R258 1 2; R259 1 2; R261 1 2; R262 1 2; R263 1 2; R264 1 2; R265 1 2; R267 1 2; R268 1 2; R269 1 2; R270 1 2; R271 1 2; R272 1 2; R274 1 2; R275 1 2; R276 2; R277 1 2; R278 1 2; R279 1 2; R280 2; R281 1 2; R282 1 2; R283 2; R284 1 2; R285 1 2; R286 1 2; R287 1; R288 2; R289 1 2; R290 1 2; R291 1 2; R292 1 2; R293 1 2; R294 1 2; R295 1 2; R296 1 2; R301 1; R304 1; R310 1 6; R325 1; R328 1 2; R329 1 2; R332 2; STA2 5 6 7 8 9; STG2 11; STK2 2; STM2 6; STR2 1 3 4 7 8 9; T201 1 2; T204 2; T205 1 2 3; T206 1 2 3; T207 1; T208 1 2; T209 1 2; T210 2 3; T211 1

## Via types
v1: diameter 0.6, hole 0.3, Top to Bottom, 270 vias

## Routing (per net, layer and track width the routed paths; a pad name or vN(x,y) marks a point on that pad's centre or on a via; arc(x,y) is an arc through that point)
+5V: length 246.1
  Bottom w2: v1(188.16,52.74) 191.66,49.24 191.66,26.49 189.91,24.74 185.16,24.74 184.16,25.74 135.41,25.74 129.66,19.99 79.16,19.99 71.66,12.49 v1(64.91,12.49) ; STA2.4 13.66,29.74 13.91,29.49 ZD201.1 13.91,31.49 19.91,37.49 33.16,37.49 33.91,38.24 v1(71.41,38.24)
+12V: length 14.8
  Top w1: v1(14.66,64.74) 13.33,63.42 D210.1
  Bottom w1: v1(14.66,64.74) 14.41,64.99 11.16,64.99 10.41,64.24 10.41,63.74 6.91,60.24 STP2.4
+15V: length 194.8
  Top w1: C202.1 22.86,78.66 D213.2
  Bottom w1: D213.2 21.06,69.95 14.62,69.95 13.16,68.49 11.16,68.49 9.16,70.49 STL2.2 3.91,70.49 ; STT2.1 STU2.1 ; 3.91,121.24 STM2.4 ; 3.91,121.24 3.91,130.49 5.91,132.49 STC2.1 STD2.1 ; 3.91,121.24 3.91,70.49 ; v1(5.41,50.49) 3.91,51.99 3.91,70.49 ; v1(5.41,46.74) 4.66,46.74 3.91,45.99 3.91,29.24 STA2.3 7.66,27.24 10.91,23.99 10.91,21.74 13.16,19.49 v1(34.41,19.49)
GND: length 251.1
  Top w1: R304.2 v1(45.91,19.74) ; v1(24.66,62.24) v1(24.66,76.24)
  Bottom w1: T207.3 23.94,76.96 v1(24.66,76.24) ; STP2.1 7.66,52.74 12.41,57.49 18.91,57.49 19.66,56.74 22.41,56.74 25.16,59.49 25.16,61.74 v1(24.66,62.24) ; v1(138.41,11.49) 131.41,11.49 128.16,8.24 75.66,8.24 75.41,7.99 61.91,7.99 53.91,15.99 53.91,17.49 52.91,18.49 46.91,18.49 45.91,19.49 v1(45.91,19.74) ; STE2.6 STD2.6 ; 155.66,178.74 173.16,178.74 174.41,179.99 C203.2 192.91,179.99 v1(194.16,181.24)
  Bottom w2: 45.91,19.49 v1(38.41,19.49) 35.91,16.99 v1(31.91,16.99) 10.41,16.99 5.91,21.49 STA2.1
VCC: length 188.1
  Top w0.5: R325.2 189.91,23.24 188.41,24.74 R308.1
  Bottom w0.2: v1(140.16,30.24) 145.16,30.24 LB4.1 ; ICC2.80 108.13,158.74 105.91,158.74 105.41,159.24 105.41,160.49 104.66,161.24 87.91,161.24 87.16,161.99 80.41,161.99 78.66,163.74 63.91,163.74 v1(63.16,164.49)
  Bottom w0.5: R266.1 R325.2
  Bottom w1: v1(148.41,141.74) 149.66,140.49 R239.1 163.84,139.06 164.91,137.99 v1(182.41,137.99) ; ICC2.80 110.93,158.24 112.71,158.24 ICC2.76 116.96,162.49 C244.1 ; C260.1 33.16,94.99 34.28,96.11 ICA5.14 ; v1(43.41,151.49) 48.66,151.49 49.25,150.9 R260.1 ; ICB4.16 57.39,109.22 55.66,107.49 C257.1 ; v1(42.91,160.49) 46.41,160.49 C274.1 47.16,161.24 49.16,161.24 ICF1.20 ; 133.16,141.74 131.41,143.49 ; ICF2.20 49.47,135.74 44.41,135.74 ; ICA4.14 34.16,108.99 32.41,107.24 C256.1 ; 62.41,57.99 49.41,57.99 48.15,56.73 STG2.7
  Bottom w2: 133.16,141.74 v1(133.41,141.74) v1(140.91,141.74) v1(148.41,141.74)
(no net): length 93.7
  Bottom w0.2: v1(162.91,34.24) 155.66,34.24 148.91,40.99 143.91,40.99 135.16,49.74 v1(125.91,49.74) ; v1(184.41,119.74) 186.16,121.49 186.16,125.74 184.16,127.74 181.16,127.74 179.91,128.99 172.16,128.99 170.91,127.74 151.66,127.74 150.66,126.74 148.91,126.74 148.41,127.24 145.41,127.24 v1(145.16,127.49)
/C_DB_RTS2: length 58
  Top w0.2: v1(12.66,186.99) 12.91,186.74 v1(12.91,177.49)
  Bottom w0.2: R245.1 50.41,181.49 48.41,183.49 20.91,183.49 17.41,186.99 v1(12.66,186.99) ; STU2.4 v1(12.91,177.49)
/C_DB_RXD2: length 52.1
  Top w0.2: v1(12.16,174.99) 11.66,175.49 v1(11.66,184.49)
  Bottom w0.2: v1(11.66,184.49) 17.41,184.49 19.91,181.99 44.66,181.99 45.41,181.24 R243.1 ; STU2.3 v1(12.16,174.99)
/C_DB_TXD2: length 59.6
  Top w0.2: v1(10.66,185.74) 10.66,183.74 11.16,183.24 11.16,172.99 v1(11.66,172.49)
  Bottom w0.2: v1(10.66,185.74) 17.41,185.74 20.41,182.74 46.41,182.74 47.91,181.24 R241.1 ; STU2.2 v1(11.66,172.49)
/C_KL_RX: length 22.1
  Bottom w0.2: STT2.3 17.91,174.99 19.91,176.99 33.41,176.99 34.91,178.49 R242.1
/C_KL_TX: length 18.2
  Top w0.2: v1(20.66,173.99) v1(20.66,179.99)
  Bottom w0.2: STT2.2 19.16,172.49 v1(20.66,173.99) ; R240.1 20.82,180.15 v1(20.66,179.99)
A0: length 117
  Top w0.2: v1(175.41,83.99) 175.41,86.49
  Bottom w0.2: v1(175.41,83.99) 174.91,83.49 172.91,83.49 172.16,82.74 162.16,82.74 161.16,83.74 154.14,83.74 ICF4.1 ; v1(175.16,149.99) 174.41,150.74 165.66,150.74 165.16,151.24 161.91,151.24 161.16,150.49 117.91,150.49 117.16,151.24 113.41,151.24 112.91,151.74 94.16,151.74 93.41,150.99 90.22,150.99 ICC2.21
A1: length 41.7
  Top w0.2: v1(172.91,84.49) 172.91,86.49
  Bottom w0.2: ICC2.22 85.97,146.74 81.16,146.74 v1(80.66,147.24) ; ICF4.2 155.93,84.49 161.41,84.49 162.41,83.49 171.91,83.49 v1(172.91,84.49) 173.41,84.99 176.91,84.99 177.41,84.49 181.91,84.49 182.41,83.99 v1(185.16,83.99)
A2: length 98.8
  Top w0.2: v1(170.41,84.99) 170.41,86.49
  Bottom w0.2: v1(170.41,84.99) 169.41,83.99 162.66,83.99 161.66,84.99 157.97,84.99 ICF4.3 ; ICC2.23 89.51,147.74 91.91,147.74 93.16,148.99 112.91,148.99 113.41,148.49 117.41,148.49 118.16,149.24 162.16,149.24 162.91,149.99 164.41,149.99 165.41,148.99 v1(168.91,148.99)
A3: length 5.6
  Top w0.2: ICF4.4 160.26,85.24 162.41,85.24 162.91,85.74 162.91,86.74
A4: length 76.2
  Bottom w0.2: ICC2.25 112.32,144.65 113.66,145.99 117.16,145.99 119.16,147.99 163.41,147.99 v1(163.66,148.24)
A5: length 11.7
  Top w0.2: ICE2.5 161.25,133.39 BU2.b7
A6: length 80.3
  Top w0.2: v1(158.66,138.49) 158.71,138.54 ICE2.4
  Bottom w0.2: ICC2.27 88.96,141.94 89.41,141.49 91.16,141.49 92.41,142.74 98.41,142.74 99.41,141.74 111.91,141.74 113.66,143.49 117.16,143.49 118.41,142.24 118.91,142.24 119.66,141.49 130.16,141.49 131.66,139.99 147.91,139.99 149.41,138.49 v1(158.66,138.49)
A7: length 11.7
  Top w0.2: ICE2.3 156.17,133.39 BU2.b5
A8: length 83.1
  Top w0.2: ICC3.5 96.57,115.08 ; v1(158.66,113.74) 159,114.08 ICE3.25
  Bottom w0.2: v1(96.91,139.49) 96.83,139.57 ICC2.29 ; v1(158.66,113.74) 158.16,113.24 152.91,113.24 152.41,113.74 132.91,113.74 131.16,115.49 128.66,115.49 128.16,115.99 123.41,115.99 122.91,115.49 113.41,115.49 112.91,114.99 112.91,114.24 111.41,112.74 97.82,112.74 ICC3.5
A9: length 79.5
  Bottom w0.2: ICE3.24 159.51,123.95 145.8,123.95 145.29,124.46 141.99,124.46 139.95,122.43 135.13,122.43 130.05,127.51 103.38,127.51 102.87,127 86.61,127 v1(86.36,127.25)
A10: length 83.4
  Bottom w0.2: v1(90.42,128.52) 90.93,128.02 102.36,128.02 102.87,128.52 130.56,128.52 135.13,123.95 139.7,123.95 141.48,125.73 146.56,125.73 147.07,125.22 162.31,125.22 164.34,123.19 167.89,123.19 ICE3.21
A11: length 81.5
  Bottom w0.2: v1(87.12,128.27) 87.88,127.51 102.62,127.51 103.12,128.02 130.3,128.02 135.13,123.19 139.7,123.19 141.48,124.97 146.05,124.97 146.56,124.46 161.54,124.46 ICE3.23
A13: length 89.3
  Top w0.2: 84.91,121.74 84.91,120.99 86.41,119.49 86.41,117.74 v1(86.16,117.49) 86.41,117.24 ICC3.1 ; ICE3.26 156.46,114.55 v1(156.21,114.3)
  Bottom w0.2: v1(86.16,117.49) 86.66,116.99 91.66,116.99 91.91,117.24 111.91,117.24 112.16,116.99 119.16,116.99 119.91,117.74 121.16,117.74 121.41,117.49 123.16,117.49 123.66,117.99 129.66,117.99 133.35,114.3 152.91,114.3 153.42,113.79 155.7,113.79 v1(156.21,114.3)
A14: length 1.2
  Top w0.2: ICC3.2 88.95,115.2
A15: length 68.8
  Top w0.2: ICC3.3 91.49,115.41
  Bottom w0.2: v1(152.91,109.49) 152.66,109.74 134.21,109.74 131.06,112.89 129.01,112.89 128.41,113.49 128.41,114.74 127.91,115.24 123.66,115.24 123.16,114.74 123.16,113.24 122.66,112.74 112.41,112.74 111.91,112.24 95.91,112.24 95.41,112.74 92.74,112.74 ICC3.3
A16: length 56.8
  Bottom w0.2: v1(93.86,129.74) 95.86,129.74 96.86,130.74 101.56,130.74 102.56,129.74 130.91,129.74 133.61,127.04 138.52,127.04 144.83,133.35 BU2.b1
A17: length 95.5
  Bottom w0.2: ICC2.38 93.41,134.49 92.16,133.24 82.41,133.24 v1(81.41,132.24) ; v1(154.41,99.24) 153.41,98.24 106.91,98.24 106.26,97.59 100.81,97.59 100.16,98.24 97.41,98.24 95.66,99.99 93.41,99.99 92.91,100.49 92.91,102.24 92.41,102.74 88.41,102.74 87.16,101.49 ICC4.1 86.16,101.74 84.16,101.74 83.41,100.99 81.66,100.99 81.41,101.24 80.16,101.24 v1(78.16,103.24)
A18: length 21.1
  Top w0.2: ICC4.2 90.66,99.78 90.66,97.99 90.16,97.49 90.16,95.49 90.66,94.99
  Bottom w0.2: ICC2.39 95.37,130.74 93.16,130.74 92.41,129.99 v1(83.91,129.99)
A19: length 4.4
  Bottom w0.2: ICC2.40 95.33,135.74 v1(92.66,135.74)
